# Allegro board nu_2000_main_210405_gerber_el.brd (continued)
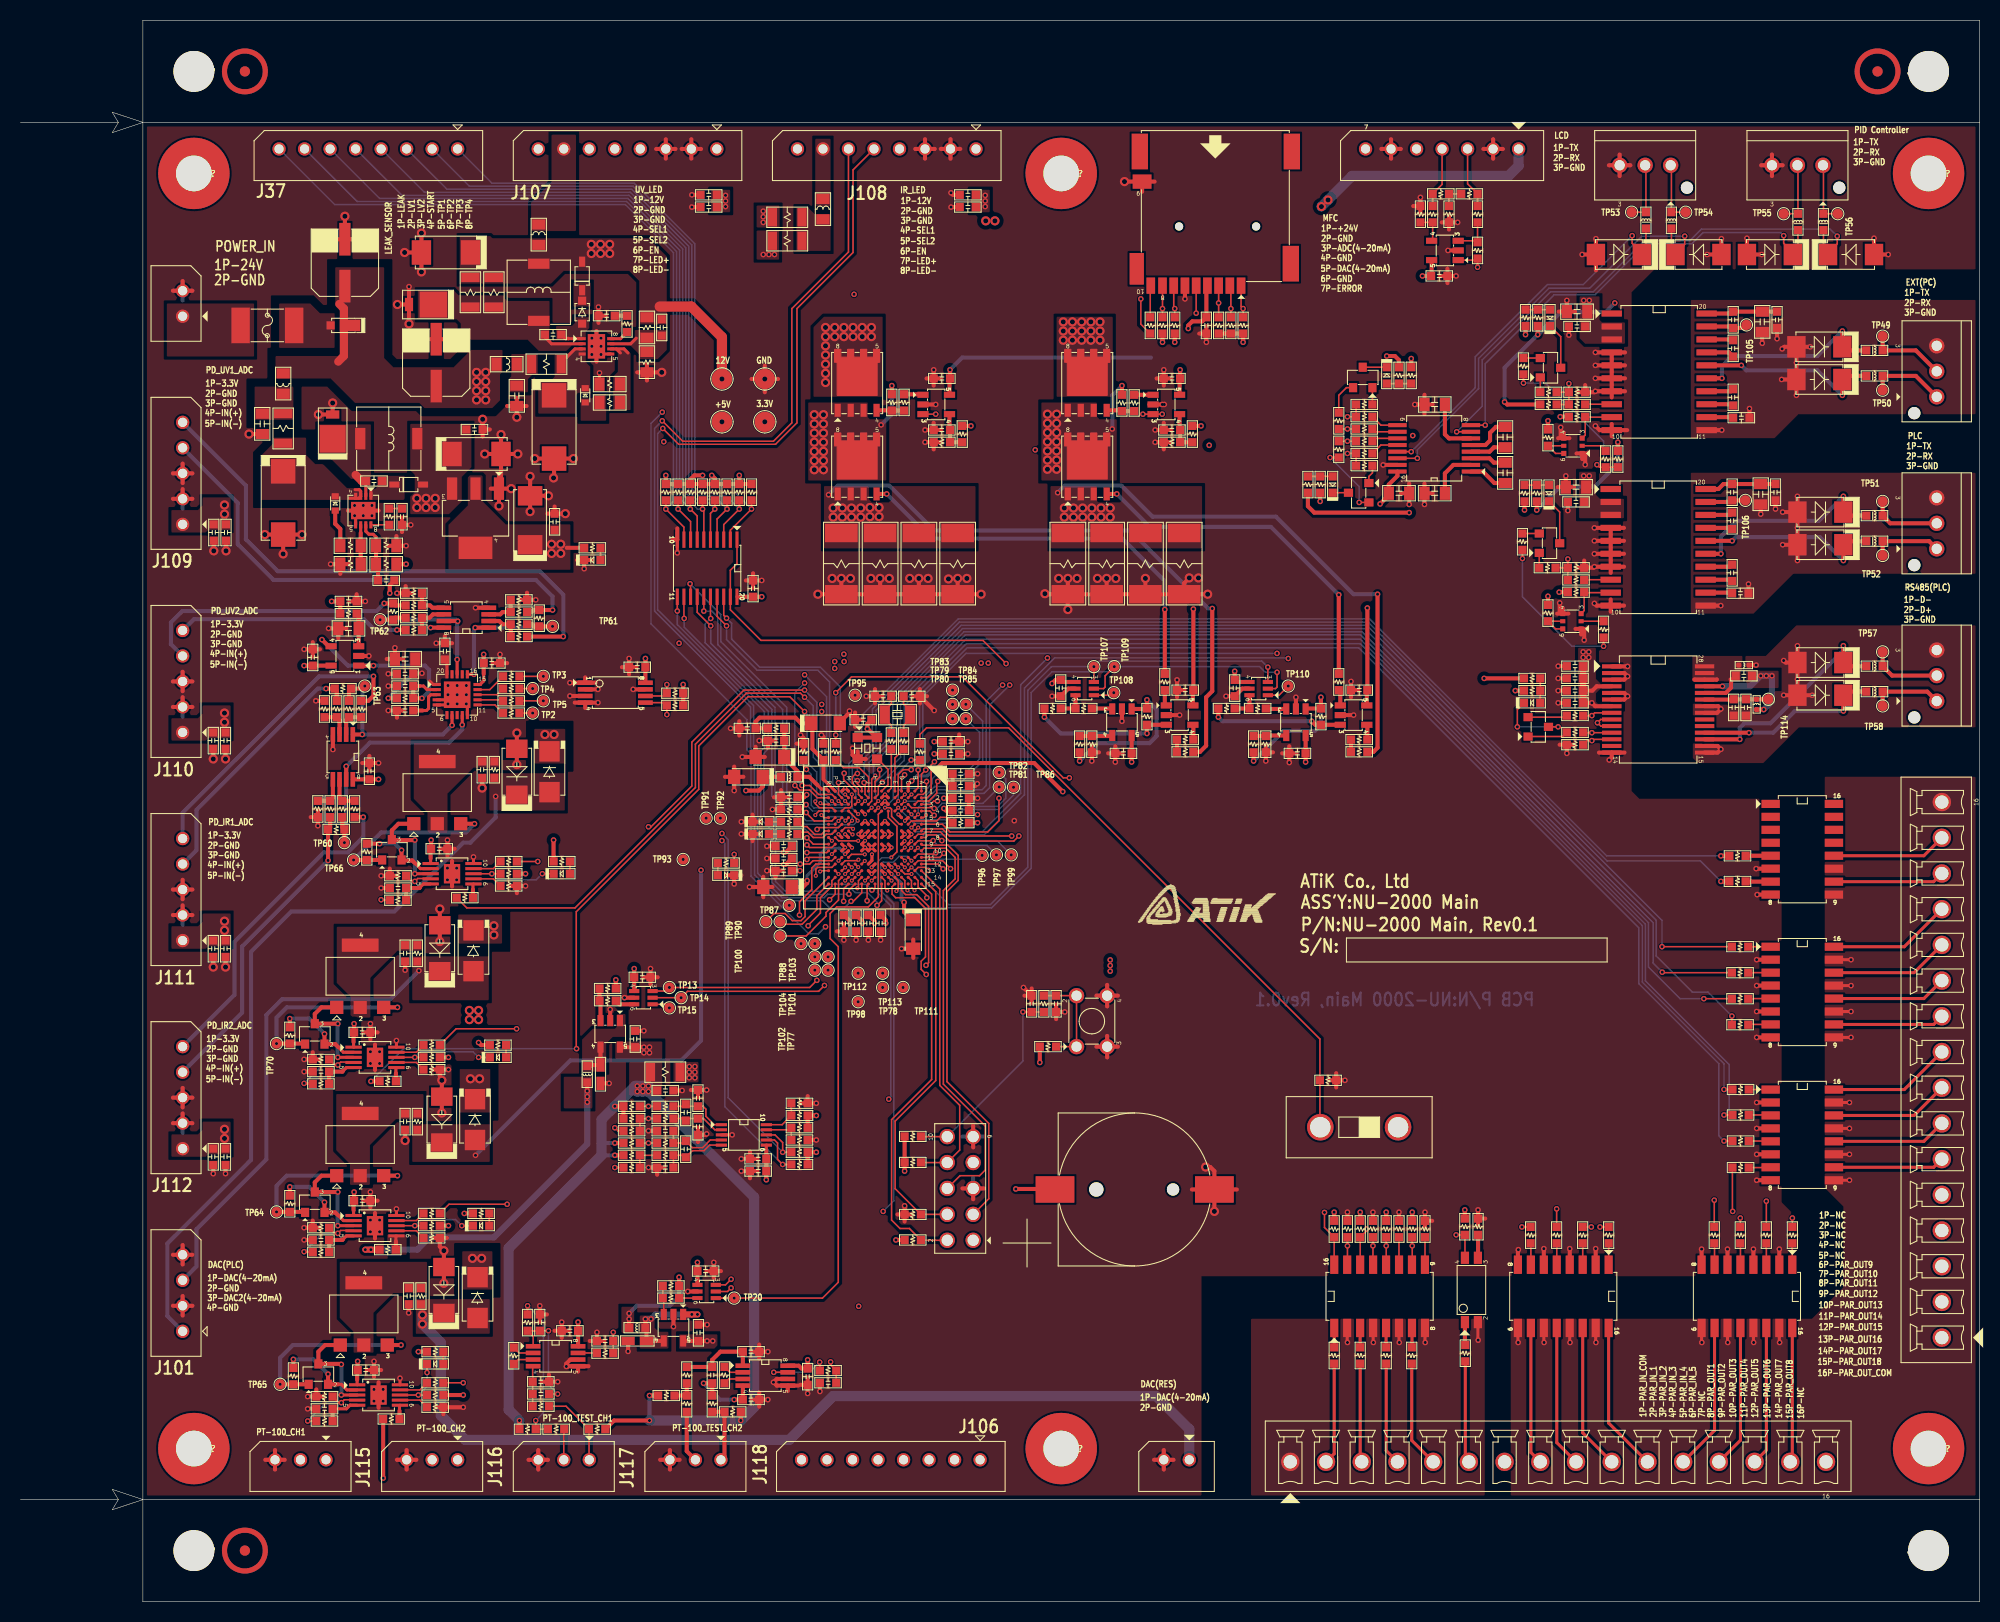
[diagram p0: board, top side]
## Nets (continued)
LED GRN: R10.1 U1.R7(PF14)
LED_RED: R11.1 U1.P7(PF15)
LED_YEL: R255.1 U1.N6(PF13)
MAV_LEAK1: J37.1 R40.1 U7.2(A1)
MAV_LEVEL1: J37.2 R39.1 U7.3(A2)
MAV_LEVEL2: J37.3 R38.1 U7.4(A3)
MFC_DAC: D77.1(ANODE) D81.2 J119.5 R144.2
MFC_ERROR: J119.7 U1.M13(PH9)
MSTART_IN: J37.4 R37.1 U7.5(A4)
NRST: C2.2 J34.10 R3.1 R4.1 R23.1
PARA_IN_0: R85.1 U1.A2(PE2) U42.16
PARA_IN_1: R86.1 U1.A1(PE3) U42.14
PARA_IN_2: R87.1 U1.B1(PE4) U42.12
PARA_IN_3: R88.1 U1.B2(PE5) U42.10
PARA_IN_4: R171.1 U1.B3(PE6) U73.4
PARA_OUT_0: R188.1 U1.R8(PE7)
PARA_OUT_1: R180.1 U1.P8(PE8)
PARA_OUT_2: R178.1 U1.P9(PE9)
PARA_OUT_3: R176.1 U1.R9(PE10)
PARA_OUT_4: R198.1 U1.P10(PE11)
PARA_OUT_5: R193.1 U1.R10(PE12)
PARA_OUT_6: R191.1 U1.N11(PE13)
PARA_OUT_7: R189.1 U1.P11(PE14)
PARA_OUT_8: R206.1 U1.R11(PE15)
PARA_OUT_9: R201.1 U1.E2(PF0)
PARA_OUT_10: R200.1 U1.H3(PF1)
PARA_OUT_11: R199.1 U1.H2(PF2)
PARA_OUT_12: R214.1 U1.J2(PF3)
PARA_OUT_13: R209.1 U1.J3(PF4)
PARA_OUT_14: R208.1 U1.K3(PF5)
PARA_OUT_15: R207.1 U1.K2(PF6)
PARA_OUT_16: R216.1 U1.K1(PF7)
PARA_OUT_17: R215.1 U1.L3(PF8)
PDR_ON: R5.2 U1.C6(PDR_ON)
READ_SENSOR: U1.B12(PD0) U7.1(G\1\) U7.19(G\2\)
RS232_RX1: R364.2 R395.1 R396.2 R405.2 U1.D15(PA10)
RS232_RX2: R368.2 R393.1 R394.2 U1.R2(PA3)
RS232_RX3: R47.1 R356.2 U1.R13(PB11)
RS232_RX4: R48.1 R360.2 U1.N2(PA1)
RS232_TX1: R363.2 R397.1 R404.2 U1.E15(PA9)
RS232_TX2: R367.2 R402.1 U1.P2(PA2)
RS232_TX3: R45.1 R355.2 U1.R12(PB10)
RS232_TX4: R46.1 R359.2 U1.N3(PA0/WKUP)
RS485_INV: R403.2 U1.B7(PG15) U81.12(INV)
RS485_RTS: U1.B8(PG12) U81.9(NRE) U81.10(DE)
RS485_RX: R371.2 U1.C10(PG9) U81.8(RXD)
RS485_TX: R372.2 U1.A7(PG14) U81.11(TXD)
RTD_SCK: R157.1 U1.H4(PH4) U44.8(SCL)
RTD_SDA: R156.1 U1.J4(PH5) U44.7(SDA)
RX1: D84.2 L9.1 U74.15(RXIN)
RX2: D86.2 L11.1 U75.15(RXIN)
RX3: D88.2 L12.1 U19.13(R1IN)
RX4: D90.2 L15.1 U19.8(R2IN)
SD_CLK: J33.5 U1.A12(PC12)
SD_CMD: J33.3 R15.1 U1.D12(PD2)
SD_D0: J33.7 R16.1 U1.G14(PC8)
SD_D1: J33.8 R17.1 U1.F14(PC9)
SD_D2: J33.1 R13.1 U1.B14(PC10)
SD_D3: J33.2 R14.1 U1.B13(PC11)
SD_DETECT: R24.2 U1.D1(PC13)
SOL_VALVE: J106.1 U1.D13(PH15)
SPI_MISO: R270.2 TP3.1 U1.C14(PI2)
SPI_MOSI: R269.2 TP5.1 TP13.1 TP107.1 U1.C13(PI3) U9.3(SDI) U12.3(SDI) U76.3(SDI) U77.3(SDI)
SPI_SCK: R271.2 TP4.1 TP14.1 TP109.1 U1.D14(PI1) U9.2(SCK) U12.2(SCK) U76.2(SCK) U77.2(SCK)
START_IN_MCU: U1.M5(PC3) U7.15(Y\4\)
SYS_JTCK_SWCLK: J34.4 R25.2 U1.A14(PA14)
SYS_JTDI: J34.8 R22.1 U1.A13(PA15)
SYS_JTDO_SWO: J34.6 U1.A10(PB3)
SYS_JTMS_SWDIO: J34.2 R21.1 U1.A15(PA13)
SYS_NJTRST: J34.3 U1.A9(PB4)
TEMP_1: J106.8 U1.A4(PE0)
TEMP_2: J106.7 U1.A3(PE1)
TEMP_3: J106.6 U1.K14(PG4)
TEMP_4: J106.5 U1.K13(PG5)
TEMP_5: J106.4 U1.J15(PG6)
TEMP_6: J106.3 U1.J14(PG7)
TEMP_7: J106.2 U1.E13(PH14)
TEMP_IS1: J37.5 R36.1 U7.6(A5)
TEMP_IS1_MCU: U1.N5(PC4) U7.14(Y\5\)
TEMP_IS2: J37.6 R35.1 U7.7(A6)
TEMP_IS2_MCU: U1.P5(PC5) U7.13(Y\6\)
TEMP_IS3: J37.7 R34.1 U7.8(A7)
TEMP_IS3_MCU: U1.H15(PC6) U7.12(Y\7\)
TEMP_IS4: J37.8 R33.1 U7.9(A8)
TEMP_IS4_MCU: U1.G15(PC7) U7.11(Y\8\)
TX1: D83.2 L8.1 U74.16(TXOUT)
TX2: D85.2 L10.1 U75.16(TXOUT)
TX3: D87.2 L13.1 U19.14(T1OUT)
TX4: D89.2 L14.1 U19.7(T2OUT)
UV1_OUT: J109.4 R274.2 R289.2
UV1_OUT_ADC: R275.1 R289.1 TP61.1 U22.1(7) U28.16(IN0)
UV2_OUT: J110.4 R279.2 R290.2
UV2_OUT_ADC: R277.1 R290.1 TP62.1 U22.7 U28.18(IN1)
UV_CUR_ONOFF: U1.A6(PB5) U61.3(+VIN)
UV_LED+: J107.7 L20.2
UV_LED-: J107.8 Q15.5(DRAIN1) Q15.6(DRAIN2) Q15.7(DRAIN3) Q15.8(DRAIN4)
UV_LED_CUR_SEL1: J107.4 U1.A11(PD7)
UV_LED_CUR_SEL2: J107.5 U1.P15(PD8)
UV_LED_EN: J107.6 U1.P14(PD9)
VISO: C189.1 C191.1 L23.2 TP114.1 U81.23(ISOIN)
VREF: C7.2 C25.1 C26.2 R12.2 U1.P1(VREF+)
VRTD: C154.1 R158.2 R160.2 R232.2 R233.2 R246.2 R247.2 R346.2 R347.2 R375.1
N183989: J47.2 L15.2 TP55.1
N184730: J44.2 L9.2 TP49.1
N184734: J44.1 L8.2 TP50.1
N184820: J46.2 L12.2 TP53.1
N188878: J45.1 L10.2 TP52.1
N188950: J45.2 L11.2 TP51.1
N190845: J46.1 L13.2 TP54.1
N191518: J47.1 L14.2 TP56.1
N249459: R45.2 U19.11(T1IN)
N249473: R46.2 U19.10(T2IN)
N249539: R47.2 U19.12(R1OUT)
N249553: R48.2 U19.9(R2OUT)
N249571: C62.2 U19.1(C1+)
N249607: C66.2 U19.2(V+)
N249615: C62.1 U19.3(C1-)
N249623: C65.2 U19.6(V-)
N249631: C64.2 U19.4(C2+)
N249715: C64.1 U19.5(C2-)
N6733103: U1.G1(PH0/OSC_IN) Y2.3(OUT)
N6733621: R2.1 U1.E1(PC14/OSC32_IN)
N6733629: C1.1 R2.2 Y1.1
N6733665: C4.1 R6.2 Y1.2
N6733705: R6.1 U1.F1(PC15/OSC32_OUT)
N6737165: J33.10 R24.1
N6752441: D27.1(ANODE) R10.2
N6752445: D28.1(ANODE) R11.2
N6756994: C6.1 U1.M10(VCAP_1)
N6757022: C5.1 U1.F13(VCAP_2)
N6757140: BT1.1(+) U1.C1(VBAT)
N6887731: C3.2 R1.1 R4.2 SW1.1 SW1.2
N6927609: R3.2 U1.J1(NRST)
N7067961: C32.1 D29.2(K) LS1.1(BOOST)
N7068137: C38.1 D32.2(CATHODE) LS1.3(VIN) LS1.4(SD) R27.2
N7068175: F1.1 J36.1
N7068197: C40.2 L3.2 R27.1
N7077098: D32.1(ANODE) R29.1
N7077127: LS1.6(RT) R29.2 R31.1
N7081708: LS1.8(VC) R32.1
N7082261: C43.2 R32.2
N7082580: C32.2 D33.2(CATHODE) L2.1 LS1.2(SW)
N7083375: C36.1 LS1.7(FB) R28.2 R30.1
N7312864: J48.2 L17.2 TP57.1
N7312868: J48.1 L16.2 TP58.1
N7312906: D92.2 L16.1 U81.18(B)
N7312940: D93.2 L17.1 U81.17(A)
N8017448: C120.2 R59.2 U26.1(3) U26.4(2) U28.2(REF)
N8017566: C118.1 R58.2 U26.3(1)
N8017750: C76.1 C77.1 C78.1 R59.1 U28.1(VDD-1) U28.20(VDD-2)
N8018430: R269.1 U28.12(DIN)
N8018478: R270.1 U28.14(SDO)
N8018518: R271.1 U28.13(SCK)
N8018574: R272.1 U28.11(CNV)
N8040227: R81.2 U42.1
N8040231: R82.2 U42.3
N8040235: R83.2 U42.5
N8040239: R84.2 U42.7
N8040588: R89.1 U42.15
N8040594: R90.1 U42.13
N8040600: R91.1 U42.11
N8040606: R92.1 U42.9
N8072032: D34.2 L5.1 U11.1(OUT) U11.4(-VIN)
N8072052: L5.2 R146.1 R267.1
N8072192: L6.2 R153.1 R268.1
N8072652: D36.2 L6.1 U13.1(OUT) U13.4(-VIN)
N8135245: Q1.2(E) R141.2 U4.2(IS)
N8135341: Q1.1(B) Q21.3(SOURCE) R141.1 TP64.1
N8135453: R142.2 U4.9(OD)
N8135465: Q1.3(C) Q21.1(GATE) U4.3(VG)
N8135511: C98.2 R18.1 U4.5(REGF)
N8135551: R18.2 R143.2 U4.4(REGS)
N8135587: C99.2 Q21.2(DRAIN1) Q21.4(DRAIN2) R144.1
N8135657: R146.2 U4.6(VIN)
N8135665: R145.2 U4.7(RSET)
N8135777: Q5.2(E) R147.2 U43.2(IS)
N8135873: Q5.1(B) Q22.3(SOURCE) R147.1 TP65.1
N8135985: R148.2 U43.9(OD)
N8135997: Q5.3(C) Q22.1(GATE) U43.3(VG)
N8136043: C101.2 R149.1 U43.5(REGF)
N8136083: R149.2 R150.2 U43.4(REGS)
N8136119: C31.2 Q22.2(DRAIN1) Q22.4(DRAIN2) R151.1
N8136179: D78.1(ANODE) D82.2 J120.1 R151.2
N8136193: R153.2 U43.6(VIN)
N8136201: R152.2 U43.7(RSET)
N8151003: R162.1 R164.2 U44.9(ADR0)
N8151007: R163.1 R165.2 U44.10(ADR1)
N8152151: J115.1 R158.1 R334.2
N8152275: R160.1 R335.2 R336.1
N8236598: Q7.2(E) R217.2 U50.2(IS)
N8236700: Q7.1(B) Q19.3(SOURCE) R217.1 TP66.1
N8236832: R218.2 U50.9(OD)
N8236864: Q7.3(C) Q19.1(GATE) U50.3(VG)
N8236938: C105.2 R219.1 U50.5(REGF)
N8237042: R219.2 R220.2 U50.4(REGS)
N8237132: C108.2 Q19.2(DRAIN1) Q19.4(DRAIN2) R221.1
N8237232: D75.1(ANODE) D79.2 J101.1 R221.2
N8237252: R223.2 U50.6(VIN)
N8237260: R222.2 U50.7(RSET)
N8237578: Q9.2(E) R225.2 U53.2(IS)
N8237714: Q9.1(B) Q20.3(SOURCE) R225.1 TP70.1
N8237834: R226.2 U53.9(OD)
N8237862: Q9.3(C) Q20.1(GATE) U53.3(VG)
N8237936: C110.2 R227.1 U53.5(REGF)
N8238006: R227.2 R228.2 U53.4(REGS)
N8238072: C113.2 Q20.2(DRAIN1) Q20.4(DRAIN2) R229.1
N8238172: D76.1(ANODE) D80.2 J101.3 R229.2
N8238206: R231.2 U53.6(VIN)
N8238214: R230.2 U53.7(RSET)
N8301476: R273.1 R275.2 U22.2(6)
N8301604: R277.2 R278.1 U22.6
N8304531: R281.2 R282.1 U55.2(6)
N8304627: R285.2 R286.1 U55.6
N8333431: J116.1 R246.1 R337.2
N8333435: R247.1 R338.2 R339.1
N8340411: TP78.1 U1.E14(PI0)
N8343262: D60.1(ANODE) R255.2
N8345385: D61.1(ANODE) R256.2
N8348745: D62.1(ANODE) R257.1
N8349244: D63.1(ANODE) R259.1
N8349652: D64.1(ANODE) R261.1
N8349896: D65.1(ANODE) R263.1
N8354920: R8.1 R374.1 SW2.2(COMMON1)
N8369370: R265.1 U9.6(VOUT)
N8369374: R265.2 R267.2 U11.3(+VIN)
N8369404: R266.1 U12.6(VOUT)
N8369408: R266.2 R268.2 U13.3(+VIN)
N8396298: C121.1 U28.3(REFIN)
N8403456: R274.1 R276.1 U22.3(5)
N8403460: J109.5 R273.2
N8403752: R279.1 R280.1 U22.5
N8403762: J110.5 R278.2
N8404439: J111.5 R282.2
N8404447: R283.1 R284.1 U55.3(5)
N8404798: J112.5 R286.2
N8404806: R287.1 R288.1 U55.5
N8414467: C122.1 D91.1(ANODE) LS2.1(BOOST)
N8414639: C126.1 D67.2(CATHODE) LS2.3(VIN) LS2.4(SD) R293.2
N8414655: C122.2 D68.2(CATHODE) L18.1 LS2.2(SW) R300.1 R301.1
N8414719: C128.2 L19.2 R293.1
N8414843: LS2.6(RT) R295.2 R298.1
N8414851: C124.1 LS2.7(FB) R294.2 R296.1
N8414939: D67.1(ANODE) R295.1
N8414991: LS2.8(VC) R297.1
N8415115: C131.2 R297.2
N8431624: R302.2 R303.1 U58.4(-VIN)
N8431628: R303.2 R389.1 U58.1(OUT)
N8432578: R305.2 U59.4(-VIN)
N8432585: R304.1 U59.1(OUT)
N8432589: Q16.4(GATE) R304.2
N8433268: Q15.4(GATE) R313.2 R316.2
N8433288: Q15.1(SOURCE1) Q15.2(SOURCE2) Q15.3(SOURCE3) Q16.5(DRAIN1) Q16.6(DRAIN2) Q16.7(DRAIN3) Q16.8(DRAIN4) R313.1
N8433496: C135.1 R314.1 R315.2 U61.4(-VIN)
N8434153: R316.1 U61.1(OUT)
N8438307: Q16.1(SOURCE1) Q16.2(SOURCE2) Q16.3(SOURCE3) R309.2 R310.2 R376.2 R377.2 R378.2
N8439260: L21.1 R379.2 R380.1
N8440427: C138.1 R317.1 R319.2 U62.4(-VIN)
N8440451: R318.1 U62.1(OUT)
N8440455: Q17.4(GATE) R318.2 R320.2
N8440519: Q17.1(SOURCE1) Q17.2(SOURCE2) Q17.3(SOURCE3) Q18.5(DRAIN1) Q18.6(DRAIN2) Q18.7(DRAIN3) Q18.8(DRAIN4) R320.1
N8440761: R323.2 R391.1 U63.1(OUT)
N8440789: R322.2 R323.1 U63.4(-VIN)
N8440797: R321.1 U64.1(OUT)
N8440801: Q18.4(GATE) R321.2
N8440805: R324.2 U64.4(-VIN)
N8440829: Q18.1(SOURCE1) Q18.2(SOURCE2) Q18.3(SOURCE3) R326.2 R327.2 R328.2 R329.2 R373.2
N8440925: R324.1 R373.1
N8448810: R333.2 U58.3(+VIN)
N8448818: R332.2 U63.3(+VIN)
N8454919: C179.2 C180.2 R334.1 U44.1(CH1+)
N8454923: C180.1 C181.2 R335.1 U44.2(CH1-)
N8455459: J115.2 R336.2
N8456453: C182.2 C184.2 R337.1 U44.4(CH2+)
N8456457: C183.2 C184.1 R338.1 U44.5(CH2-)
N8456560: J116.2 R339.2
N8465176: J117.1 R232.1 R342.2
N8465183: J117.2 R340.2
N8465187: R233.1 R340.1 R341.2
N8465270: C155.2 C156.2 R341.1 U66.1(-IN)
N8465318: C155.1 C157.2 R342.1 U66.4(+IN)
N8466691: R344.2 U66.3(RG2)
N8466814: R344.1 U66.2(RG1)
N8466854: R345.2 U66.7(VOUT)
N8472178: J118.1 R346.1 R352.2
N8472182: R347.1 R348.2 R349.1
N8472294: C158.2 C159.2 R348.1 U67.1(-IN)
N8472330: J118.2 R349.2
N8472342: R350.2 U67.3(RG2)
N8472350: R350.1 U67.2(RG1)
N8472370: R351.2 U67.7(VOUT)
N8472434: C158.1 C160.2 R352.1 U67.4(+IN)
N8479815: TP83.1 U1.D4(PI4)
N8479819: TP82.1 U1.C4(PI5)
N8479823: TP81.1 U1.C3(PI6)
N8479827: TP80.1 U1.C2(PI7)
N8479831: TP79.1 U1.D2(PI8)
N8479835: TP84.1 U1.D3(PI9)
N8479839: TP85.1 U1.E3(PI10)
N8479843: TP86.1 U1.E4(PI11)
N8480605: TP87.1 U1.P12(PB12)
N8480609: TP88.1 U1.P13(PB13)
N8480613: TP89.1 U1.R14(PB14)
N8480617: TP90.1 U1.R15(PB15)
N8480653: TP91.1 U1.R5(PB0)
N8480657: TP92.1 U1.R4(PB1)
N8480709: TP93.1 U1.N7(PG0)
N8480727: TP95.1 U1.H1(PH1/OSC_OUT)
N8480761: TP96.1 U1.B10(PG10)
N8480765: TP97.1 U1.B9(PG11)
N8480791: TP98.1 U1.H14(PG8)
N8480809: TP99.1 U1.A8(PG13)
N8547740: TP100.1 U1.N14(PD11)
N8547744: TP101.1 U1.N13(PD12)
N8547748: TP102.1 U1.M15(PD13)
N8547752: TP103.1 U1.M14(PD14)
N8547756: TP104.1 U1.L14(PD15)
N8577903: R175.2 U73.1
N8578750: R177.1 U73.3
N8579418: R176.2 U45.1
N8579458: R178.2 U45.3
N8579498: R180.2 U45.5
N8580456: R188.2 U45.7
N8581115: R189.2 U46.1
N8581155: R191.2 U46.3
N8581195: R193.2 U46.5
N8581905: R198.2 U46.7
N8582414: R199.2 U47.1
N8582454: R200.2 U47.3
N8582494: R201.2 U47.5
N8583064: R206.2 U47.7
N8583488: R207.2 U48.1
N8583528: R208.2 U48.3
N8583568: R209.2 U48.5
N8584162: R214.2 U48.7
N8589792: D70.1(ANODE) R353.2 R354.1
N8593977: D70.2(CATHODE) U68.3(A)
N8593981: R355.1 U68.2(C1)
N8593985: R356.1 U68.1(C2)
N8594383: D71.1(ANODE) R357.2 R358.1
N8594935: D71.2(CATHODE) U69.3(A)
N8594939: R359.1 U69.2(C1)
N8594943: R360.1 U69.1(C2)
N8604076: C70.1 U74.14(C2+)
N8604083: C70.2 U74.13(C2-)
N8604919: C69.1 U74.12(V-)
N8605385: R399.2 U74.9(TXIN) U79.3(D2)
N8606319: C67.1 C71.1 C162.1 U74.20(VISO)
N8607073: C163.1 U74.18(C1+)
N8607080: C163.2 U74.17(C1-)
N8607114: C71.2 TP105.1 U74.19(V+)
N8607764: D72.1(ANODE) R361.2 R362.1
N8607800: D72.2(CATHODE) U70.3(A)
N8607826: R363.1 U70.2(C1)
N8607830: R364.1 U70.1(C2)
N8610915: C164.1 C165.1 C166.1 U75.20(VISO)
N8611019: C166.2 TP106.1 U75.19(V+)
N8611105: C169.1 U75.18(C1+)
N8611113: C169.2 U75.17(C1-)
N8611231: R401.2 U75.9(TXIN) U80.3(D2)
N8611289: C170.1 U75.12(V-)
N8611293: C171.1 U75.14(C2+)
N8611297: C171.2 U75.13(C2-)
N8611839: D73.1(ANODE) R365.2 R366.1
N8611875: D73.2(CATHODE) U71.3(A)
N8611901: R367.1 U71.2(C1)
N8611905: R368.1 U71.1(C2)
N8628016: R305.1 R378.1
N8631058: R333.1 R390.1 U76.6(VOUT)
N8631434: R332.1 R392.1 U77.6(VOUT)
N8632420: TP77.1 U1.L13(PH10)
N8632424: TP111.1 U1.L12(PH11)
N8632428: TP112.1 U1.K12(PH12)
N8632432: TP113.1 U1.E12(PH13)
N8641754: J119.3 R381.1 R385.2
N8641766: R381.2 R384.1 U78.3(+VIN)
N8641838: R385.1 R387.2 R388.1
N8641920: R383.1 R386.2 U78.4(-VIN)
N8641956: J119.4 R386.1 R387.1
N8649784: D66.2(K) D91.2(CATHODE)
N8659167: D74.1(ANODE) R369.2 R370.1
N8659203: D74.2(CATHODE) U72.3(A)
N8659229: R371.1 U72.2(C1)
N8659233: R372.1 U72.1(C2)
N8674898: R389.2 R390.2 U59.3(+VIN)
N8675008: R391.2 R392.2 U64.3(+VIN)
N8675155: R393.2 U75.8(RXOUT)
N8676464: R395.2 U74.8(RXOUT)
N8676560: R397.2 U79.2(G1)
N8676594: R398.2 U79.5(G2) U79.6(D1)
N8678547: R400.2 U80.5(G2) U80.6(D1)
N8678615: R402.2 U80.2(G1)
N8687759: C190.2 L22.1 U81.24(GNDISO1) U81.26(GNDISO2) U81.27(VSEL) U81.28(GNDISO3)
N8687790: C190.1 L23.1 U81.25(VISOOUT)
N8815037: R215.2 U49.5
N8815077: R216.2 U49.7
N70680811: D31.1(A) F1.2

Pads without a net: J34 7; J52 7 16; J53 1 2 3 4 5; NOREF#42 1; NOREF#53 1; NOREF#336 1; NOREF#613 1; NOREF#614 1; NOREF#615 1; U1 B4 B15 C12 C15 F15 L2 N15 P6 R6; U28 6 8 17 19; U49 1 2 3 4 13 14 15 16; U74 1; U75 1; U81 13 19 20; UNK? 1; UNK?#2 1; UNK?#3 1; UNK?#4 1; UNK?#5 1; UNK?#8 1

## Via types
v1: diameter 0.55, hole 0.3, TOP to BOTTOM, 800 vias
v2: diameter 0.9, hole 0.5, TOP to BOTTOM, 214 vias
v3: diameter 0.4, hole 0.2, TOP to BOTTOM, 106 vias

## Routing (per net, layer and track width the routed paths; a pad name or vN(x,y) marks a point on that pad's centre or on a via; arc(x,y) is an arc through that point)
3.3V: length 142.2
  TOP w0.3: 70.65,98.5 U7.20 ; U44.6 73.1,44.2 ; U1.G3 v3(84.72,78.47) U1.F3 ; U1.C8 v3(87.33,75.22) U1.C7 ; U1.G13 v3(84.72,71.33) ; U1.H13 v3(83.42,71.33) U1.J13 ; U1.N10 v3(80.83,73.92) U1.N9 ; 45.4,90.95 45.4,90.25 45.05,89.9 U28.15 ; U1.N8 v3(80.17,75.22) ; U1.J12 83.45,72.65 v3(83.45,73.25) ; U1.C5 v3(86.69,76.54) ; U1.K4 v3(82.78,77.17) ; U1.C9 v3(87.3,74.55)
  TOP w0.4: 61.25,90.08 C28.2 v1(61.25,92.45) ; R369.1 v1(146.5,89.3) ; R87.2 v1(133.85,38.17) ; v1(83.7,66.5) 83.7,66.7 C20.2 ; v1(145.45,117.6) 145.7,117.35 R405.1 ; v1(86.65,42.2) R22.2 R23.2 ; C13.2 90.7,77.55 v1(90.5,77.75) ; C23.2 81.3,66.7 v1(81.3,66.5) ; 83.9,84.7 Y2.1 ; 83.9,84.7 Y2.4 ; 83.9,84.7 83.05,85.55 v1(83,85.55) 83,86.05 C117.2 ; v1(66.85,110.4) 66.05,110.4 65.65,110 R35.2 ; v1(78,44.05) R157.2 R156.2 ; v1(64.95,89.9) R19.2 R20.2 ; R35.2 R34.2 R33.2 v1(63.25,110.4) ; R35.2 R36.2 R37.2 ; U81.7 154.32,87.78 v1(154,88.1) C188.2 ; R365.1 v1(148.6,107) ; R37.2 68.05,110.1 v1(67.75,110.4) ; R37.2 R38.2 R39.2 ; R317.2 v1(115.7,115.25) ; R1.2 v1(99.9,52.85) ; v1(77.15,23.7) C144.2 76.55,22.85 76.28,23.12 U67.8 ; C16.2 v1(89.55,84.3) ; v1(72.65,98.5) C44.2 70.65,98.5 ; R256.1 53.55,103.3 ; C14.2 C9.2 90.75,80.55 v1(90.6,80.55) ; R404.1 v1(156.55,113.65) ; 45.4,90.95 C119.2 v1(45.4,92.85) ; C15.2 v1(89.55,83.1) ; R88.2 v1(136.4,38.17) ; C12.2 v1(90.5,78.75) ; v1(78,47.65) R163.2 R162.2 ; L1.1 C8.1 72.75,79.9 72.35,79.5 v1(71.1,79.5) ; v1(114.45,124.8) 114.45,125.1 114.85,125.5 115.83,125.5 C27.2 116.22,128.9 J33.4 ; v1(74.8,73.45) 75,73.45 C19.2 ; v1(133.9,122.1) 134.7,122.1 135.1,121.7 R357.1 ; R15.2 R14.2 R13.2 v1(119.83,123.45) ; v1(148.7,124.2) R361.1 ; 73.1,44.2 C102.2 C103.2 v1(73.1,41.35) ; 134.95,110.78 134.95,110.35 134.1,109.5 C63.1 134.1,108.45 v1(133.25,107.6) ; C21.2 84.8,66.8 v1(84.8,66.5) ; U66.8 C142.2 v1(54.65,27.4) ; C17.2 v1(76.4,71.65) ; R86.2 v1(131.3,38.17) ; R21.2 v1(85.8,35.45) ; R314.2 v1(93.15,115.25) ; R16.2 v1(113.12,123.45) ; R85.2 v1(128.75,38.17) ; C22.2 82.5,66.7 v1(82.5,66.5) ; C18.2 75,72.25 v1(74.8,72.25) ; R353.1 v1(127.38,107.85) ; R39.2 R40.2 ; R39.2 v1(70.45,110.4) ; R17.2 v1(111.92,123.45) ; C187.2 154.05,89.3 154.47,89.72 155.95,89.72 ; R5.1 v1(93.8,76.35) ; C10.2 76.8,78.85 v1(77.05,79.1) ; R171.2 v1(141.55,38.4)
  TOP w0.6: C185.2 C186.2 C187.2 C188.2
  BOTTOM w0.4: v1(156.25,127.3) 155.35,126.4 150.95,126.4 148.75,124.2 v1(148.7,124.2) 145.45,120.95 v1(145.45,117.6) ; v1(156.55,113.65) 156.55,111.55 154.3,109.3 150.9,109.3 v1(148.6,107)
  vias: v1(65.55,52.45) v1(65.55,51.9) v1(65.55,51.35) v1(66.1,52.45) v1(66.1,51.9) v1(66.1,51.35) v1(153.15,93.1) v1(153.15,92.55) v1(153.7,93.1) v1(153.7,92.55) v2(20,107.5) v2(20,106.6) v2(20,87.1) v2(20,86.2) v2(20,66.7) v2(20,65.8) v2(20,46.3) v2(20,45.4) v2(52.05,103.65) v2(52.05,102.75) v2(52.95,103.65) v2(52.95,102.75) v2(72.95,115.65)
12V: length 91
  TOP w0.4: U64.5 131.95,89.3 C140.2 v1(132,97.4) ; U62.5 113.6,119.85 C137.2 v1(113.65,120.75) ; v1(114.95,97.3) C133.2 114.9,89.3 U59.5 ; v1(91.1,120.75) C136.2 91.05,119.85 U61.5
  TOP w1: 62.65,126.95 65.75,126.95 68.75,123.95 v2(68.75,119.85)
  L4-INT2 w0.4: 118.05,96.45 115.8,96.45 v1(114.95,97.3)
  L4-INT2 w0.6: v1(132,97.4) 131.05,96.45 118.05,96.45 118.05,111.25 116.5,112.8 v1(116.5,113.35)
  BOTTOM w0.4: 110.8,121.95 92.3,121.95 v1(91.1,120.75)
  vias: v1(69.1,137.85) v1(69.1,137.3) v1(69.1,136.75) v1(72.8,136.3) v1(72.8,135.75) v1(72.8,135.2) v1(94.55,137.85) v1(94.55,137.3) v1(94.55,136.75) v2(55.95,133.05) v2(55.95,132.15) v2(56.85,133.05) v2(56.85,132.15) v2(57.75,133.05) v2(57.75,132.15) v2(94.6,135.35) v2(95.5,135.35)
24V: length 129.9
  TOP w0.3: U50.1 40.2,72.85 ; U53.1 32.65,54.85 ; U43.1 33,21.75 ; U4.1 32.65,38.35
  TOP w0.4: 33,21.75 33,22.65 C100.2 v1(33.05,23.55) ; v1(40.25,74.65) C104.2 40.2,73.75 40.2,72.85 ; 32.65,54.85 32.65,55.75 C109.2 v1(32.7,56.65) ; 32.65,38.35 32.65,39.25 C97.2 v1(32.7,40.15)
  TOP w0.8: 31.25,127.2 31.7,126.75 31.7,122.1 31.15,121.55
  L4-INT2 w1: v2(44.7,120.5) v2(45.6,120.5) 54.7,120.5 55.55,121.35 58.9,121.35 71.3,133.75 75.3,133.75 77.1,131.95 122.7,131.95 v2(127.5,136.75) v2(128.15,137.4)
  BOTTOM w1: v2(127.5,136.75) v2(128.15,137.4) 130.5,139.75 145.82,139.75 146.82,140.75 J119.1
  vias: v2(44.1,51.25) v2(44.3,33.65) v2(44.7,119.6) v2(44.7,118.7) v2(44.7,117.8) v2(45,51.25) v2(45.2,33.65) v2(45.6,119.6) v2(45.6,118.7) v2(45.6,117.8) v2(46.4,66.25) v2(46.4,65.35) v2(51.4,85) v2(52.3,85)
+5V: length 251.8
  TOP w0.4: R264.2 v1(43.4,20.25) ; v1(101.1,90) 101.45,90.35 C176.2 102.15,90.15 U76.4 ; R262.2 v1(41.95,36.85) ; R401.1 v1(150.8,98.95) ; U13.5 C47.2 v1(67.3,25.55) ; R260.2 v1(41.95,53.35) ; v1(136.1,106.75) 126.8,106.75 126.17,107.38 R354.2 ; C36.2 36.2,99.65 v1(36.2,98.85) ; U12.4 C48.2 v1(66.35,33.25) ; R358.2 v1(136.3,121.85) ; R261.2 v1(43.5,38.05) ; v1(27.8,91.75) C115.1 U26.5 ; R58.1 C75.1 v1(30.5,98.05) ; R259.2 45.15,54.55 v1(44.9,54.8) ; R370.2 v1(143.45,90.5) ; v1(149.7,115.75) R398.1 ; v1(35.1,80.6) C116.1 U55.8 ; R399.1 v1(150.9,116.15) ; U11.5 C46.2 v1(61.1,54.35) ; R366.2 v1(147.4,107) ; v1(125.95,82.3) C177.2 U63.5 ; U9.4 C45.2 v1(60.15,62.05) ; R362.2 v1(147.5,124.2) ; v1(137.4,129.95) C178.2 138.3,130 U78.5 ; v1(108.9,82.3) C132.2 U58.5 ; v1(149.7,98.55) R400.1 ; R257.2 v1(52.25,74.65) ; R263.2 v1(39,24.5) ; R28.1 v1(37.8,101.7) ; R258.2 v1(49.5,71.35) ; v1(119,91.2) C139.2 119.2,90.15 U77.4 ; U22.8 v1(40.2,95.47)
  L3-INT1 w0.4: v1(101.1,90) 101.45,90.35 107.95,90.35 108.9,89.4
  L3-INT1 w1: v1(119,91.2) 117.2,89.4 108.9,89.4 v1(108.9,82.3) 106.8,80.2 v1(106.8,62.9) v1(106.8,62.35) v1(106.8,61.8)
  L4-INT2 w0.4: v1(108.9,82.3) 109.8,81.4 125.05,81.4 v1(125.95,82.3) ; v1(49.5,71.35) 49.5,74.65 ; v1(43.4,20.25) 40.65,20.25
  L4-INT2 w0.6: v1(52.25,74.65) 45.4,74.65 ; 46,33.25 v1(66.35,33.25) 66.35,31.6 68.05,29.9 68.05,25.75 v1(67.85,25.55) v1(67.3,25.55)
  L4-INT2 w1: v1(73.9,132.05) v1(73.35,132.05) v1(72.8,132.05) 60.2,119.45 60.2,110.3 54.75,104.85 44.3,104.85 43.95,105.2 ; 44.25,101.35 53.7,101.35 61.05,108.7 67.75,108.7 68.75,109.7 v2(68.75,115.65)
  vias: v1(61.1,53.8) v1(61.65,54.35) v1(61.65,53.8) v1(136.45,114.3) v1(153.2,127.55) v1(153.2,110.35) v1(153.75,127.55) v1(153.75,110.35) v2(38.85,108.15) v2(38.85,107.25) v2(39.75,108.15) v2(39.75,107.25) v2(40.65,108.15) v2(40.65,107.25) v2(44,57.95) v2(44,57.05) v2(44.9,57.95) v2(44.9,57.05)
GND: length 1141
  TOP w0.3: LS2.9 57.2,122.3 LS2.5 ; U1.K6 v3(82.78,76.53) U1.J6 ; R298.2 v1(56.75,120.45) ; U1.F7 v3(85.38,75.22) U1.F8 ; v1(32.75,106.45) 32.85,106.35 LS1.5 ; U1.H8 v3(83.42,75.22) ; v3(83.42,75.22) U1.J8 ; v3(83.42,75.22) U1.H7 ; U50.10 v1(44.4,73) ; U1.D7 v3(86.67,75.22) U1.D8 ; U53.10 v1(36.85,55) ; U1.G10 v3(84.72,73.92) U1.G9 ; U44.3 v1(69.75,45.75) ; U1.M8 v3(80.83,75.22) ; U1.F6 v3(84.72,76.53) U1.G6 ; v3(83.42,73.92) U1.H10 ; v3(83.42,73.92) U1.J9 ; v3(83.42,73.92) U1.H9 ; v3(83.42,73.92) U1.J10 v3(82.78,73.92) ; U43.10 v1(37.2,21.9) ; v3(82.78,74.58) U1.K9 v3(82.78,73.92) ; v3(82.78,73.92) U1.K10 ; U1.H12 v3(83.42,71.97) ; U7.10 v1(64.38,102.8) ; U1.G7 v3(84.72,75.22) U1.G8 ; U1.H6 v3(83.42,76.53) ; 42.3,88.4 v1(41.9,88) 41.8,87.9 U28.5 ; 42.3,88.4 v1(42.8,88.9) v1(43.7,88) 43.8,87.9 U28.10 ; 42.3,88.4 U28.4 ; U1.M1 v3(80.83,79.78) U1.N1 ; U1.K7 v3(82.12,75.22) U1.K8 v3(82.78,75.22) U1.J7 ; U1.G12 v3(84.72,71.97) ; U1.M9 v3(81.5,73.9) ; U1.F12 v3(85.38,71.97) ; U1.F9 v3(85.38,73.92) U1.F10 ; U1.D9 v3(86.65,74.55) ; U1.D5 v3(86.04,77.16) ; U1.G2 v3(84.72,79.12) U1.F2 ; U4.10 v1(36.85,38.5)